# Altium PCB MB1166.PcbDoc (part 13 of 39)
Units mil, origin at the board's own origin, x right, y up, seen from the top; angles counter-clockwise.
Board outline 5000.99 x 2352.96 mil, 4 copper layers (TOP, L2_GND, L3_VCC, BOTTOM), stack 25.9 mil thick; 35 components, 24 nets, 166 pads, 143 vias.
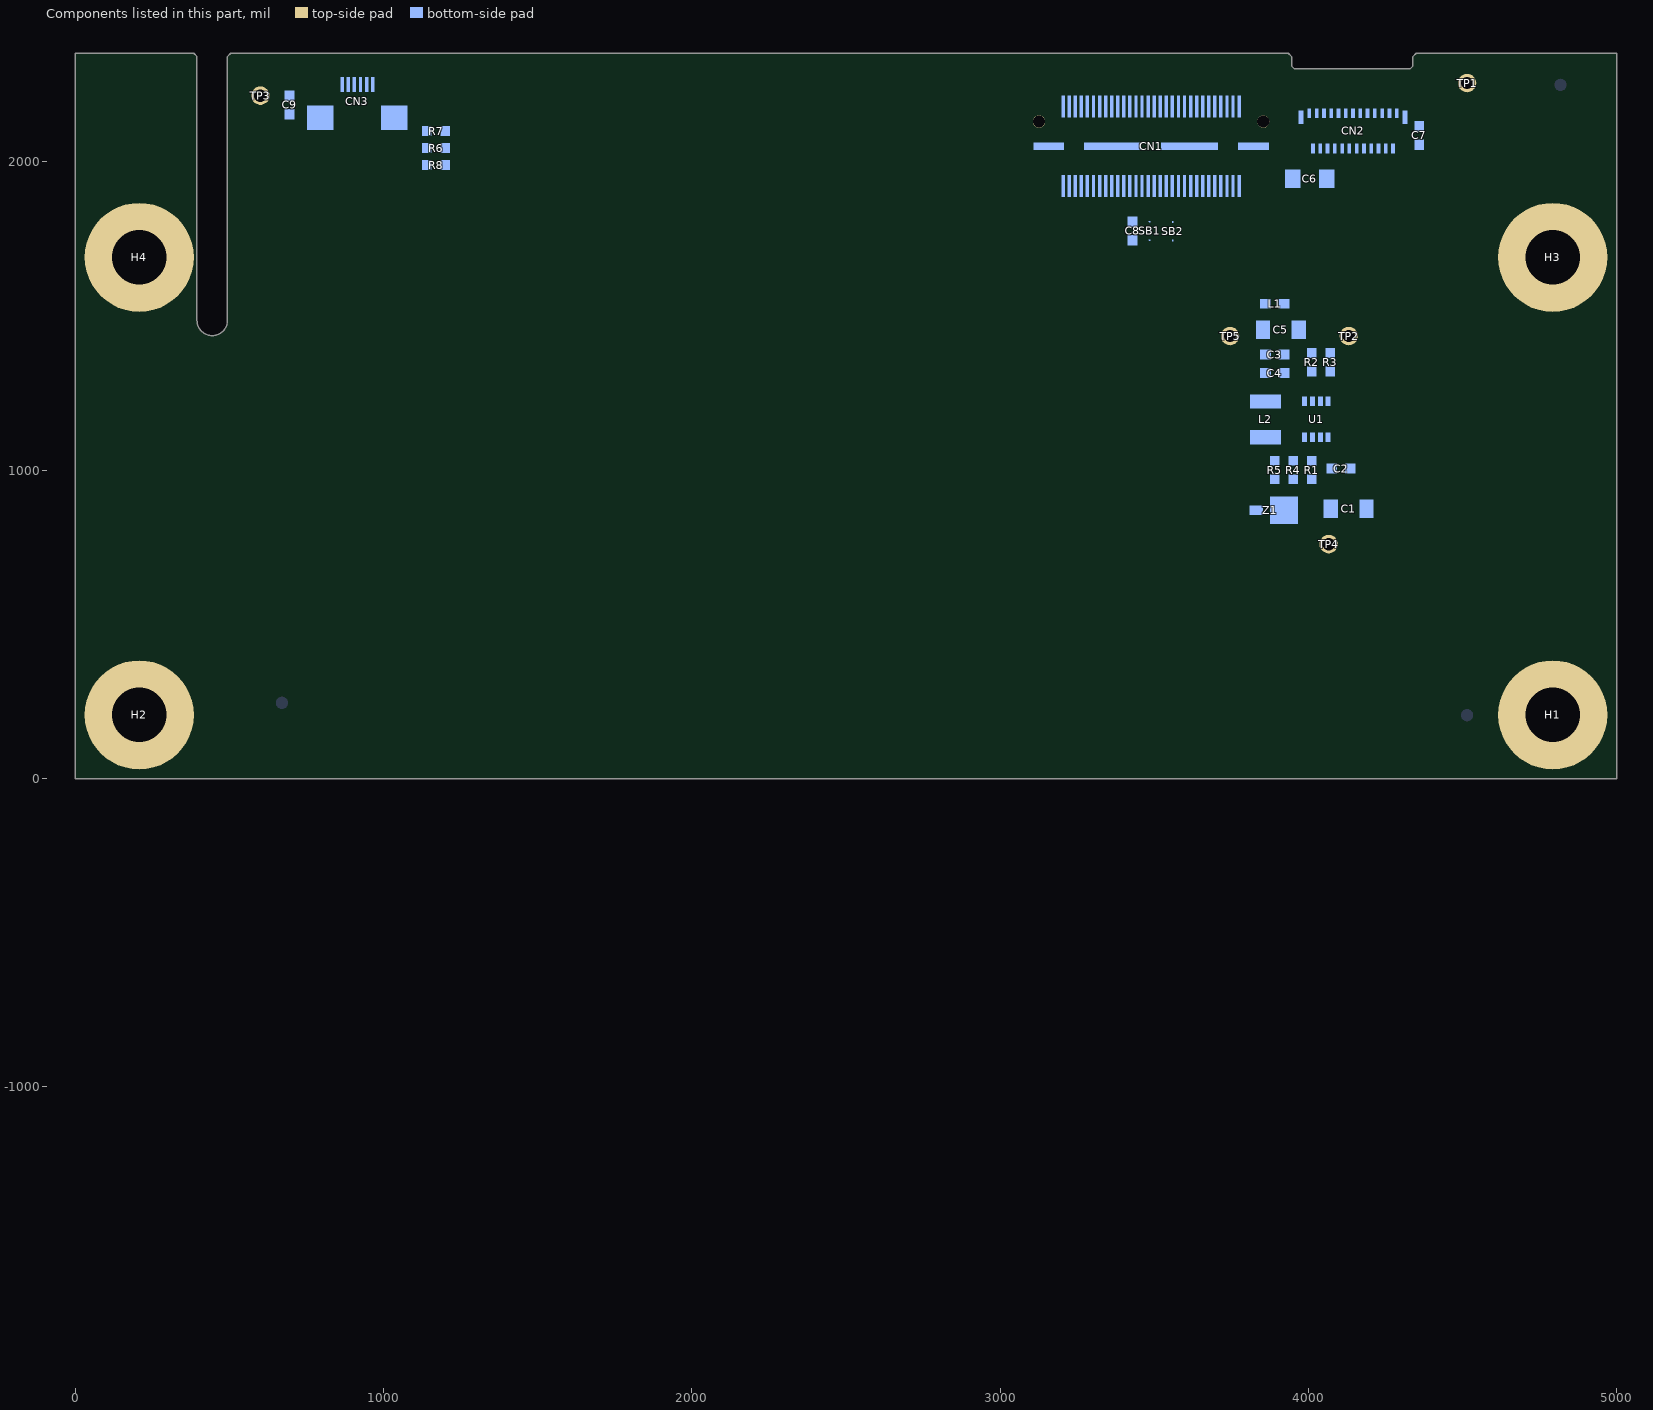
[diagram p15: the components of this part, seen from the top]

## Via types
v1: diameter 24, hole 12, TOP to BOTTOM, 143 vias

## Nets (pads, with @x,y where several pads share a name; then routed paths per layer and width w, separated by ;. In a path a pad name is that pad's centre, name@x,y a point inside that pad or via, vN(x,y) a via of type N, cw(c..) or ccw(c..) an arc to the next point about the centre after c; other vN are vias at no path point) (continued)
copper on no net: (continued)
  TOP w2: 1342.82,-1114.39 1343.1,-1114.67 ; 1342.97,-1160.25 1343.02,-1160.17 ; 1342.97,-1160.25 1343.02,-1160.17 ; 1343.02,-1160.17 1343.32,-1159.77 ; 1343.02,-1160.17 1343.32,-1159.77 ; 1343.1,-1114.67 1343.17,-1114.75 ; 1343.1,-1114.67 1343.17,-1114.75 ; 1343.17,-1114.75 1343.24,-1114.82 ; 1343.17,-1114.75 1343.24,-1114.82 ; 1343.24,-1114.82 1343.3,-1114.9 ; 1343.24,-1114.82 1343.3,-1114.9 ; 1343.32,-1159.77 1343.37,-1159.68 ; 1343.32,-1159.77 1343.37,-1159.68 ; 1343.3,-1114.9 1343.44,-1115.04 ; 1343.3,-1114.9 1343.44,-1115.04 ; 1343.37,-1159.68 1343.55,-1159.44 ; 1343.37,-1159.68 1343.55,-1159.44 ; 1343.44,-1115.04 1343.5,-1115.12 ; 1343.44,-1115.04 1343.5,-1115.12 ; 1343.5,-1115.12 1343.57,-1115.2 ; 1343.5,-1115.12 1343.57,-1115.2 ; 1343.55,-1159.44 1343.6,-1159.36 ; 1343.55,-1159.44 1343.6,-1159.36 ; 1343.57,-1115.2 1343.63,-1115.27 ; 1343.57,-1115.2 1343.63,-1115.27 ; 1343.6,-1159.36 1343.66,-1159.27 ; 1343.6,-1159.36 1343.66,-1159.27 ; 1343.66,-1159.27 1343.72,-1159.19 ; 1343.66,-1159.27 1343.72,-1159.19 ; 1343.63,-1115.27 1343.7,-1115.35 ; 1343.63,-1115.27 1343.7,-1115.35 ; 1343.72,-1159.19 1343.77,-1159.11 ; 1343.72,-1159.19 1343.77,-1159.11 ; 1343.7,-1115.35 1343.76,-1115.43 ; 1343.7,-1115.35 1343.76,-1115.43 ; 1343.77,-1159.11 1343.83,-1159.03 ; 1343.77,-1159.11 1343.83,-1159.03 ; 1343.76,-1115.43 1343.82,-1115.5 ; 1343.76,-1115.43 1343.82,-1115.5 ; 1343.82,-1115.5 1343.89,-1115.58 ; 1343.82,-1115.5 1343.89,-1115.58 ; 1343.83,-1159.03 1343.88,-1158.94 ; 1343.83,-1159.03 1343.88,-1158.94 ; 1343.88,-1158.94 1343.94,-1158.86 ; 1343.88,-1158.94 1343.94,-1158.86 ; 1343.89,-1115.58 1344.37,-1116.22 ; 1343.89,-1115.58 1344.37,-1116.22 ; 1343.94,-1158.86 1343.99,-1158.78 ; 1343.94,-1158.86 1343.99,-1158.78 ; 1343.99,-1158.78 1344.05,-1158.69 ; 1343.99,-1158.78 1344.05,-1158.69 ; 1344.05,-1158.69 1344.1,-1158.61 ; 1344.05,-1158.69 1344.1,-1158.61 ; 1344.1,-1158.61 1344.16,-1158.52 ; 1344.1,-1158.61 1344.16,-1158.52 ; 1344.16,-1158.52 1344.21,-1158.44 ; 1344.16,-1158.52 1344.21,-1158.44 ; 1344.21,-1158.44 1344.27,-1158.36 ; 1344.21,-1158.44 1344.27,-1158.36 ; 1344.27,-1158.36 1344.32,-1158.27 ; 1344.27,-1158.36 1344.32,-1158.27 ; 1344.32,-1158.27 1344.37,-1158.19 ; 1344.32,-1158.27 1344.37,-1158.19 ; 1344.37,-1158.19 1344.43,-1158.1 ; 1344.37,-1158.19 1344.43,-1158.1 ; 1344.37,-1116.22 1344.42,-1116.3 ; 1344.37,-1116.22 1344.42,-1116.3 ; 1344.42,-1116.3 1344.48,-1116.38 ; 1344.42,-1116.3 1344.48,-1116.38 ; 1344.43,-1158.1 1344.48,-1158.02 ; 1344.43,-1158.1 1344.48,-1158.02 ; 1344.48,-1158.02 1344.53,-1157.93 ; 1344.48,-1158.02 1344.53,-1157.93 ; 1344.48,-1116.38 1344.54,-1116.47 ; 1344.48,-1116.38 1344.54,-1116.47 ; 1344.53,-1157.93 1344.58,-1157.85 ; 1344.53,-1157.93 1344.58,-1157.85 ; 1344.54,-1116.47 1344.59,-1116.55 ; 1344.54,-1116.47 1344.59,-1116.55 ; 1344.58,-1157.85 1344.68,-1157.67 ; 1344.58,-1157.85 1344.68,-1157.67 ; 1344.59,-1116.55 1344.65,-1116.63 ; 1344.59,-1116.55 1344.65,-1116.63 ; 1344.65,-1116.63 1344.7,-1116.72 ; 1344.65,-1116.63 1344.7,-1116.72 ; 1344.68,-1157.67 1344.73,-1157.59 ; 1344.68,-1157.67 1344.73,-1157.59 ; 1344.7,-1116.72 1344.76,-1116.8 ; 1344.7,-1116.72 1344.76,-1116.8 ; 1344.73,-1157.59 1344.83,-1157.41 ; 1344.73,-1157.59 1344.83,-1157.41 ; 1344.76,-1116.8 1344.81,-1116.88 ; 1344.76,-1116.8 1344.81,-1116.88 ; 1344.81,-1116.88 1344.87,-1116.97 ; 1344.81,-1116.88 1344.87,-1116.97 ; 1344.83,-1157.41 1344.88,-1157.33 ; 1344.83,-1157.41 1344.88,-1157.33 ; 1344.87,-1116.97 1344.92,-1117.05 ; 1344.86,-1116.96 1316.83,-1144.99 1344.86,-1116.96 ; 1344.87,-1116.97 1344.92,-1117.05 ; 1344.88,-1157.33 1344.98,-1157.15 ; 1344.88,-1157.33 1344.98,-1157.15 ; 1344.92,-1117.05 1344.97,-1117.14 ; 1344.92,-1117.05 1344.97,-1117.14 ; 1344.97,-1117.14 1345.02,-1117.22 ; 1344.97,-1117.14 1345.02,-1117.22 ; 1344.98,-1157.15 1345.03,-1157.07 ; 1344.98,-1157.15 1345.03,-1157.07 ; 1345.02,-1117.22 1345.07,-1117.31 ; 1345.02,-1117.22 1345.07,-1117.31 ; 1345.03,-1157.07 1345.13,-1156.89 ; 1345.03,-1157.07 1345.13,-1156.89 ; 1345.07,-1117.31 1345.13,-1117.4 ; 1345.07,-1117.31 1345.13,-1117.4 ; 1345.13,-1156.89 1345.17,-1156.8 ; 1345.13,-1156.89 1345.17,-1156.8 ; 1345.17,-1156.8 1345.27,-1156.62 ; 1345.17,-1156.8 1345.27,-1156.62 ; 1345.13,-1117.4 1345.18,-1117.48 ; 1345.13,-1117.4 1345.18,-1117.48 ; 1345.18,-1117.48 1345.28,-1117.66 ; 1345.18,-1117.48 1345.28,-1117.66 ; 1345.27,-1156.62 1345.31,-1156.54 ; 1345.27,-1156.62 1345.31,-1156.54 ; 1345.31,-1156.54 1345.36,-1156.45 ; 1345.31,-1156.54 1345.36,-1156.45 ; 1345.32,-1117.74 1345.28,-1117.66 ; 1345.32,-1117.74 1345.47,-1118.01 ; 1345.32,-1117.74 1345.28,-1117.66 ; 1345.32,-1117.74 1345.47,-1118.01 ; 1345.36,-1156.45 1345.4,-1156.36 ; 1345.36,-1156.45 1345.4,-1156.36 ; 1345.4,-1156.36 1345.45,-1156.27 ; 1345.4,-1156.36 1345.45,-1156.27 ; 1345.45,-1156.27 1345.49,-1156.18 ; 1345.45,-1156.27 1345.49,-1156.18 ; 1345.47,-1118.01 1345.52,-1118.09 ; 1345.47,-1118.01 1345.52,-1118.09 ; 1345.49,-1156.18 1345.54,-1156.09 ; 1345.49,-1156.18 1345.54,-1156.09 ; 1345.52,-1118.09 1345.56,-1118.18 ; 1345.52,-1118.09 1345.56,-1118.18 ; 1345.54,-1156.09 1345.58,-1156 ; 1345.54,-1156.09 1345.58,-1156 ; 1345.56,-1118.18 1345.66,-1118.36 ; 1345.56,-1118.18 1345.66,-1118.36 ; 1345.58,-1156 1345.63,-1155.91 ; 1345.58,-1156 1345.63,-1155.91 ; 1345.63,-1155.91 1345.71,-1155.73 ; 1345.63,-1155.91 1345.71,-1155.73 ; 1345.66,-1118.36 1345.7,-1118.45 ; 1345.66,-1118.36 1345.7,-1118.45 ; 1345.71,-1155.73 1345.76,-1155.64 ; 1345.71,-1155.73 1345.76,-1155.64 ; 1345.7,-1118.45 1345.8,-1118.63 ; 1345.7,-1118.45 1345.8,-1118.63 ; 1345.76,-1155.64 1345.92,-1155.28 ; 1345.76,-1155.64 1345.92,-1155.28 ; 1345.8,-1118.63 1345.84,-1118.72 ; 1345.8,-1118.63 1345.84,-1118.72 ; 1345.84,-1118.72 1345.88,-1118.8 ; 1345.84,-1118.72 1345.88,-1118.8 ; 1345.92,-1155.28 1345.97,-1155.19 ; 1345.92,-1155.28 1345.97,-1155.19 ; 1345.88,-1118.8 1345.93,-1118.89 ; 1345.88,-1118.8 1345.93,-1118.89 ; 1345.97,-1155.19 1346.01,-1155.09 ; 1345.97,-1155.19 1346.01,-1155.09 ; 1345.97,-1118.98 1345.93,-1118.89 ; 1345.97,-1118.98 1346.02,-1119.07 ; 1345.97,-1118.98 1345.93,-1118.89 ; 1345.97,-1118.98 1346.02,-1119.07 ; 1346.01,-1155.09 1346.25,-1154.55 ; 1346.01,-1155.09 1346.25,-1154.55 ; 1346.02,-1119.07 1346.1,-1119.25 ; 1346.02,-1119.07 1346.1,-1119.25 ; 1346.1,-1119.25 1346.15,-1119.34 ; 1346.1,-1119.25 1346.15,-1119.34 ; 1346.15,-1119.34 1346.19,-1119.44 ; 1346.15,-1119.34 1346.19,-1119.44 ; 1346.19,-1119.44 1346.31,-1119.71 ; 1346.19,-1119.44 1346.31,-1119.71 ; 1346.25,-1154.55 1346.29,-1154.45 ; 1346.25,-1154.55 1346.29,-1154.45 ; 1346.29,-1154.45 1346.37,-1154.27 ; 1346.29,-1154.45 1346.37,-1154.27 ; 1346.31,-1119.71 1346.36,-1119.8 ; 1346.31,-1119.71 1346.36,-1119.8 ; 1346.37,-1154.27 1346.4,-1154.18 ; 1346.37,-1154.27 1346.4,-1154.18 ; 1346.36,-1119.8 1346.56,-1120.25 ; 1346.36,-1119.8 1346.56,-1120.25 ; 1346.4,-1154.18 1346.44,-1154.08 ; 1346.4,-1154.18 1346.44,-1154.08 ; 1346.44,-1154.08 1346.56,-1153.81 ; 1346.44,-1154.08 1346.56,-1153.81 ; 1346.56,-1153.81 1346.59,-1153.71 ; 1346.56,-1153.81 1346.59,-1153.71 ; 1346.56,-1120.25 1346.6,-1120.35 ; 1346.56,-1120.25 1346.6,-1120.35 ; 1346.59,-1153.71 1346.67,-1153.53 ; 1346.59,-1153.71 1346.67,-1153.53 ; 1346.6,-1120.35 1346.76,-1120.71 ; 1346.6,-1120.35 1346.76,-1120.71 ; 1346.67,-1153.53 1346.7,-1153.44 ; 1346.67,-1153.53 1346.7,-1153.44 ; 1346.7,-1153.44 1346.74,-1153.34 ; 1346.7,-1153.44 1346.74,-1153.34 ; 1346.74,-1153.34 1346.78,-1153.25 ; 1346.74,-1153.34 1346.78,-1153.25 ; 1346.76,-1120.71 1346.8,-1120.81 ; 1346.76,-1120.71 1346.8,-1120.81 ; 1346.78,-1153.25 1346.81,-1153.16 ; 1346.78,-1153.25 1346.81,-1153.16 ; 1346.81,-1153.16 1346.85,-1153.06 ; 1346.81,-1153.16 1346.85,-1153.06 ; 1346.8,-1120.81 1346.84,-1120.9 ; 1346.8,-1120.81 1346.84,-1120.9 ; 1346.85,-1153.06 1346.89,-1152.97 ; 1346.85,-1153.06 1346.89,-1152.97 ; 1346.87,-1120.99 1346.84,-1120.9 ; 1346.87,-1120.99 1346.91,-1121.08 ; 1346.87,-1120.99 1346.84,-1120.9 ; 1346.87,-1120.99 1346.91,-1121.08 ; 1346.89,-1152.97 1346.92,-1152.88 ; 1346.89,-1152.97 1346.92,-1152.88 ; 1346.92,-1152.88 1346.96,-1152.78 ; 1346.92,-1152.88 1346.96,-1152.78 ; 1346.91,-1121.08 1346.95,-1121.18 ; 1346.91,-1121.08 1346.95,-1121.18 ; 1346.96,-1152.78 1346.99,-1152.69 ; 1346.96,-1152.78 1346.99,-1152.69 ; 1346.95,-1121.18 1347.03,-1121.36 ; 1346.95,-1121.18 1347.03,-1121.36 ; 1346.99,-1152.69 1347.03,-1152.6 ; 1346.99,-1152.69 1347.03,-1152.6 ; 1347.03,-1152.6 1347.06,-1152.5 ; 1347.03,-1152.6 1347.06,-1152.5 ; 1347.06,-1152.5 1347.1,-1152.41 ; 1347.06,-1152.5 1347.1,-1152.41 ; 1347.06,-1121.45 1347.03,-1121.36 ; 1347.06,-1121.45 1347.1,-1121.55 ; 1347.06,-1121.45 1347.03,-1121.36 ; 1347.06,-1121.45 1347.1,-1121.55 ; 1347.1,-1152.41 1347.13,-1152.31 ; 1347.1,-1152.41 1347.13,-1152.31 ; 1347.1,-1121.55 1347.18,-1121.73 ; 1347.1,-1121.55 1347.18,-1121.73 ; 1347.13,-1152.31 1347.17,-1152.22 ; 1347.13,-1152.31 1347.17,-1152.22 ; 1347.17,-1152.22 1347.2,-1152.13 ; 1347.17,-1152.22 1347.2,-1152.13 ; 1347.2,-1152.13 1347.23,-1152.03 ; 1347.2,-1152.13 1347.23,-1152.03 ; 1347.21,-1121.82 1347.18,-1121.73 ; 1347.21,-1121.82 1347.25,-1121.92 ; 1347.21,-1121.82 1347.18,-1121.73 ; 1347.21,-1121.82 1347.25,-1121.92 ; 1347.23,-1152.03 1347.27,-1151.94 ; 1347.23,-1152.03 1347.27,-1151.94 ; 1347.27,-1151.94 1347.3,-1151.84 ; 1347.27,-1151.94 1347.3,-1151.84 ; 1347.25,-1121.92 1347.29,-1122.01 ; 1347.25,-1121.92 1347.29,-1122.01 ; 1347.3,-1151.84 1347.34,-1151.75 ; 1347.3,-1151.84 1347.34,-1151.75 ; 1347.32,-1122.1 1347.29,-1122.01 ; 1347.32,-1122.1 1347.36,-1122.2 ; 1347.32,-1122.1 1347.29,-1122.01 ; 1347.32,-1122.1 1347.36,-1122.2 ; 1347.34,-1151.75 1347.37,-1151.66 ; 1347.34,-1151.75 1347.37,-1151.66 ; 1347.37,-1151.66 1347.4,-1151.56 ; 1347.37,-1151.66 1347.4,-1151.56 ; 1347.36,-1122.2 1347.39,-1122.29 ; 1347.36,-1122.2 1347.39,-1122.29 ; 1347.4,-1151.56 1347.44,-1151.47 ; 1347.4,-1151.56 1347.44,-1151.47 ; 1347.39,-1122.29 1347.43,-1122.38 ; 1347.39,-1122.29 1347.43,-1122.38 ; 1347.44,-1151.47 1347.47,-1151.37 ; 1347.44,-1151.47 1347.47,-1151.37 ; 1347.47,-1151.37 1347.5,-1151.28 ; 1347.47,-1151.37 1347.5,-1151.28 ; 1347.46,-1122.48 1347.43,-1122.38 ; 1347.46,-1122.48 1347.5,-1122.57 ; 1347.46,-1122.48 1347.43,-1122.38 ; 1347.46,-1122.48 1347.5,-1122.57 ; 1347.5,-1151.28 1347.53,-1151.18 ; 1347.5,-1151.28 1347.53,-1151.18 ; 1347.5,-1122.57 1347.53,-1122.67 ; 1347.5,-1122.57 1347.53,-1122.67 ; 1347.53,-1151.18 1347.57,-1151.09 ; 1347.53,-1151.18 1347.57,-1151.09 ; 1347.57,-1151.09 1347.6,-1150.99 ; 1347.57,-1151.09 1347.6,-1150.99 ; 1347.57,-1122.76 1347.53,-1122.67 ; 1347.57,-1122.76 1347.6,-1122.85 ; 1347.57,-1122.76 1347.53,-1122.67 ; 1347.57,-1122.76 1347.6,-1122.85 ; 1347.6,-1150.99 1347.63,-1150.9 ; 1347.6,-1150.99 1347.63,-1150.9 ; 1347.6,-1122.85 1347.63,-1122.95 ; 1347.6,-1122.85 1347.63,-1122.95 ; 1347.63,-1150.9 1347.66,-1150.8 ; 1347.63,-1150.9 1347.66,-1150.8 ; 1347.66,-1150.8 1347.69,-1150.71 ; 1347.66,-1150.8 1347.69,-1150.71 ; 1347.67,-1123.04 1347.63,-1122.95 ; 1347.67,-1123.04 1347.7,-1123.14 ; 1347.67,-1123.04 1347.63,-1122.95 ; 1347.67,-1123.04 1347.7,-1123.14 ; 1347.69,-1150.71 1347.72,-1150.61 ; 1347.69,-1150.71 1347.72,-1150.61 ; 1347.72,-1150.61 1347.76,-1150.52 ; 1347.72,-1150.61 1347.76,-1150.52 ; 1347.7,-1123.14 1347.74,-1123.23 ; 1347.7,-1123.14 1347.74,-1123.23 ; 1347.76,-1150.52 1347.79,-1150.42 ; 1347.76,-1150.52 1347.79,-1150.42 ; 1347.77,-1123.32 1347.74,-1123.23 ; 1347.77,-1123.32 1347.8,-1123.42 ; 1347.77,-1123.32 1347.74,-1123.23 ; 1347.77,-1123.32 1347.8,-1123.42 ; 1347.79,-1150.42 1347.82,-1150.33 ; 1347.79,-1150.42 1347.82,-1150.33 ; 1347.82,-1150.33 1347.85,-1150.23 ; 1347.82,-1150.33 1347.85,-1150.23 ; 1347.8,-1123.42 1347.83,-1123.51 ; 1347.8,-1123.42 1347.83,-1123.51 ; 1347.85,-1150.23 1347.88,-1150.14 ; 1347.85,-1150.23 1347.88,-1150.14 ; 1347.87,-1123.61 1347.83,-1123.51 ; 1347.87,-1123.61 1347.9,-1123.7 ; 1347.87,-1123.61 1347.83,-1123.51 ; 1347.87,-1123.61 1347.9,-1123.7 ; 1347.88,-1150.14 1347.91,-1150.04 ; 1347.88,-1150.14 1347.91,-1150.04 ; 1347.91,-1150.04 1347.94,-1149.95 ; 1347.91,-1150.04 1347.94,-1149.95 ; 1347.9,-1123.7 1347.93,-1123.8 ; 1347.9,-1123.7 1347.93,-1123.8 ; 1347.94,-1149.95 1347.97,-1149.85 ; 1347.94,-1149.95 1347.97,-1149.85 ; 1347.97,-1149.85 1348,-1149.76 ; 1347.97,-1149.85 1348,-1149.76 ; 1347.96,-1123.89 1347.93,-1123.8 ; 1347.96,-1123.89 1347.99,-1123.99 ; 1347.96,-1123.89 1347.93,-1123.8 ; 1347.96,-1123.89 1347.99,-1123.99 ; 1348,-1149.76 1348.02,-1149.66 ; 1348,-1149.76 1348.02,-1149.66 ; 1348.02,-1149.66 1348.05,-1149.56 ; 1348.02,-1149.66 1348.05,-1149.56 ; 1347.99,-1123.99 1348.03,-1124.08 ; 1347.99,-1123.99 1348.03,-1124.08 ; 1348.05,-1149.56 1348.08,-1149.47 ; 1348.05,-1149.56 1348.08,-1149.47 ; 1348.06,-1124.18 1348.03,-1124.08 ; 1348.06,-1124.18 1348.09,-1124.27 ; 1348.06,-1124.18 1348.03,-1124.08 ; 1348.06,-1124.18 1348.09,-1124.27 ; 1348.08,-1149.47 1348.11,-1149.37 ; 1348.08,-1149.47 1348.11,-1149.37 ; 1348.11,-1149.37 1348.14,-1149.28 ; 1348.11,-1149.37 1348.14,-1149.28 ; 1348.12,-1124.37 1348.09,-1124.27 ; 1348.12,-1124.37 1348.15,-1124.46 ; 1348.12,-1124.37 1348.09,-1124.27 ; 1348.12,-1124.37 1348.15,-1124.46 ; 1348.14,-1149.28 1348.17,-1149.18 ; 1348.14,-1149.28 1348.17,-1149.18 ; 1348.17,-1149.18 1348.19,-1149.08 ; 1348.17,-1149.18 1348.19,-1149.08 ; 1348.15,-1124.46 1348.18,-1124.56 ; 1348.15,-1124.46 1348.18,-1124.56 ; 1348.19,-1149.08 1348.22,-1148.99 ; 1348.19,-1149.08 1348.22,-1148.99 ; 1348.22,-1148.99 1348.25,-1148.89 ; 1348.22,-1148.99 1348.25,-1148.89 ; 1348.21,-1124.65 1348.18,-1124.56 ; 1348.21,-1124.65 1348.24,-1124.75 ; 1348.21,-1124.65 1348.18,-1124.56 ; 1348.21,-1124.65 1348.24,-1124.75 ; 1348.25,-1148.89 1348.27,-1148.8 ; 1348.25,-1148.89 1348.27,-1148.8 ; 1348.27,-1148.8 1348.33,-1148.6 ; 1348.27,-1148.8 1348.33,-1148.6 ; 1348.27,-1124.84 1348.24,-1124.75 ; 1348.27,-1124.84 1348.33,-1125.04 ; 1348.27,-1124.84 1348.24,-1124.75 ; 1348.27,-1124.84 1348.33,-1125.04 ; 1348.33,-1148.6 1348.35,-1148.51 ; 1348.33,-1148.6 1348.35,-1148.51 ; 1348.35,-1148.51 1348.38,-1148.41 ; 1348.35,-1148.51 1348.38,-1148.41 ; 1348.36,-1125.13 1348.33,-1125.04 ; 1348.36,-1125.13 1348.38,-1125.23 ; 1348.36,-1125.13 1348.33,-1125.04 ; 1348.36,-1125.13 1348.38,-1125.23 ; 1348.38,-1148.41 1348.4,-1148.31 ; 1348.38,-1148.41 1348.4,-1148.31 ; 1348.4,-1148.31 1348.43,-1148.22 ; 1348.4,-1148.31 1348.43,-1148.22 ; 1348.41,-1125.32 1348.38,-1125.23 ; 1348.41,-1125.32 1348.47,-1125.52 ; 1348.41,-1125.32 1348.38,-1125.23 ; 1348.41,-1125.32 1348.47,-1125.52 ; 1348.43,-1148.22 1348.45,-1148.12 ; 1348.43,-1148.22 1348.45,-1148.12 ; 1348.45,-1148.12 1348.48,-1148.02 ; 1348.45,-1148.12 1348.48,-1148.02 ; 1348.47,-1125.52 1348.5,-1125.61 ; 1348.47,-1125.52 1348.5,-1125.61 ; 1348.48,-1148.02 1348.5,-1147.93 ; 1348.48,-1148.02 1348.5,-1147.93 ; 1348.5,-1147.93 1348.53,-1147.83 ; 1348.5,-1147.93 1348.53,-1147.83 ; 1348.52,-1125.71 1348.5,-1125.61 ; 1348.52,-1125.71 1348.55,-1125.8 ; 1348.52,-1125.71 1348.5,-1125.61 ; 1348.52,-1125.71 1348.55,-1125.8 ; 1348.53,-1147.83 1348.57,-1147.63 ; 1348.53,-1147.83 1348.57,-1147.63 ; 1348.57,-1147.63 1348.6,-1147.54 ; 1348.57,-1147.63 1348.6,-1147.54 ; 1348.55,-1125.8 1348.61,-1126 ; 1348.55,-1125.8 1348.61,-1126 ; 1348.6,-1147.54 1348.64,-1147.34 ; 1348.6,-1147.54 1348.64,-1147.34 ; 1348.61,-1126 1348.63,-1126.09 ; 1348.61,-1126 1348.63,-1126.09 ; 1348.64,-1147.34 1348.67,-1147.24 ; 1348.64,-1147.34 1348.67,-1147.24 ; 1348.67,-1147.24 1348.69,-1147.15 ; 1348.67,-1147.24 1348.69,-1147.15 ; 1348.63,-1126.09 1348.69,-1126.29 ; 1348.63,-1126.09 1348.69,-1126.29 ; 1348.69,-1147.15 1348.75,-1146.85 ; 1348.69,-1147.15 1348.75,-1146.85 ; 1348.71,-1126.38 1348.69,-1126.29 ; 1348.71,-1126.38 1348.74,-1126.48 ; 1348.71,-1126.38 1348.69,-1126.29 ; 1348.71,-1126.38 1348.74,-1126.48 ; 1348.75,-1146.85 1348.77,-1146.76 ; 1348.75,-1146.85 1348.77,-1146.76 ; 1348.77,-1146.76 1348.85,-1146.36 ; 1348.77,-1146.76 1348.85,-1146.36 ; 1348.76,-1126.58 1348.74,-1126.48 ; 1348.76,-1126.58 1348.79,-1126.67 ; 1348.76,-1126.58 1348.74,-1126.48 ; 1348.76,-1126.58 1348.79,-1126.67 ; 1348.81,-1126.77 1348.79,-1126.67 ; 1348.81,-1126.77 1348.84,-1126.87 ; 1348.81,-1126.77 1348.79,-1126.67 ; 1348.81,-1126.77 1348.84,-1126.87 ; 1348.85,-1146.36 1348.87,-1146.27 ; 1348.85,-1146.36 1348.87,-1146.27 ; 1348.87,-1146.27 1348.95,-1145.87 ; 1348.87,-1146.27 1348.95,-1145.87 ; 1348.86,-1126.96 1348.84,-1126.87 ; 1348.86,-1126.96 1348.89,-1127.06 ; 1348.86,-1126.96 1348.84,-1126.87 ; 1348.86,-1126.96 1348.89,-1127.06 ; 1348.91,-1127.16 1348.89,-1127.06 ; 1348.91,-1127.16 1348.93,-1127.25 ; 1348.91,-1127.16 1348.89,-1127.06 ; 1348.91,-1127.16 1348.93,-1127.25 ; 1348.95,-1145.87 1348.96,-1145.77 ; 1348.95,-1145.87 1348.96,-1145.77 ; 1348.96,-1145.77 1348.98,-1145.68 ; 1348.96,-1145.77 1348.98,-1145.68 ; 1348.96,-1127.35 1348.93,-1127.25 ; 1348.96,-1127.35 1349,-1127.55 ; 1348.96,-1127.35 1348.93,-1127.25 ; 1348.96,-1127.35 1349,-1127.55 ; 1348.98,-1145.68 1349.02,-1145.48 ; 1348.98,-1145.68 1349.02,-1145.48 ; 1349.02,-1145.48 1349.03,-1145.38 ; 1349.02,-1145.48 1349.03,-1145.38 ; 1349.02,-1127.64 1349,-1127.55 ; 1349.02,-1127.64 1349.04,-1127.74 ; 1349.02,-1127.64 1349,-1127.55 ; 1349.02,-1127.64 1349.04,-1127.74 ; 1349.03,-1145.38 1349.05,-1145.28 ; 1349.03,-1145.38 1349.05,-1145.28 ; 1349.05,-1145.28 1349.06,-1145.18 ; 1349.05,-1145.28 1349.06,-1145.18 ; 1349.06,-1145.18 1349.08,-1145.08 ; 1349.06,-1145.18 1349.08,-1145.08 ; 1349.07,-1127.84 1349.04,-1127.74 ; 1349.07,-1127.84 1349.11,-1128.04 ; 1349.07,-1127.84 1349.04,-1127.74 ; 1349.07,-1127.84 1349.11,-1128.04 ; 1349.08,-1145.08 1349.1,-1144.99 ; 1349.08,-1145.08 1349.1,-1144.99 ; 1349.1,-1144.99 1349.11,-1144.89 ; 1349.1,-1144.99 1349.11,-1144.89 ; 1349.11,-1144.89 1349.13,-1144.79 ; 1349.11,-1144.89 1349.13,-1144.79 ; 1349.11,-1128.04 1349.13,-1128.13 ; 1349.11,-1128.04 1349.13,-1128.13 ; 1349.13,-1144.79 1349.15,-1144.59 ; 1349.13,-1144.79 1349.15,-1144.59 ; 1349.15,-1144.59 1349.17,-1144.49 ; 1349.15,-1144.59 1349.17,-1144.49 ; 1349.17,-1144.49 1349.18,-1144.39 ; 1349.17,-1144.49 1349.18,-1144.39 ; 1349.17,-1128.36 1276.41,-1201.12 1349.17,-1128.36 ; 1349.16,-1128.33 1349.15,-1128.23 ; 1349.16,-1128.33 1349.2,-1128.53 ; 1349.16,-1128.33 1349.15,-1128.23 ; 1349.16,-1128.33 1349.2,-1128.53 ; 1349.15,-1128.23 1349.13,-1128.13 ; 1349.15,-1128.23 1349.13,-1128.13 ; 1349.18,-1144.39 1349.2,-1144.29 ; 1349.18,-1144.39 1349.2,-1144.29 ; 1349.2,-1144.29 1349.22,-1144.09 ; 1349.2,-1144.29 1349.22,-1144.09 ; 1349.22,-1144.09 1349.23,-1144 ; 1349.22,-1144.09 1349.23,-1144 ; 1349.22,-1128.62 1349.2,-1128.53 ; 1349.22,-1128.62 1349.24,-1128.72 ; 1349.22,-1128.62 1349.2,-1128.53 ; 1349.22,-1128.62 1349.24,-1128.72 ; 1349.23,-1144.02 1279.33,-1213.93 1349.23,-1144.02 ; 1349.23,-1144 1349.25,-1143.9 ; 1349.23,-1144 1349.25,-1143.9 ; 1349.25,-1143.9 1349.4,-1142.4 ; 1349.25,-1143.9 1349.4,-1142.4 ; 1349.25,-1128.82 1349.24,-1128.72 ; 1349.25,-1128.82 1349.29,-1129.02 ; 1349.25,-1128.82 1349.24,-1128.72 ; 1349.25,-1128.82 1349.29,-1129.02 ; 1349.32,-1129.22 1349.3,-1129.12 ; 1349.32,-1129.22 1349.33,-1129.32 ; 1349.32,-1129.22 1349.3,-1129.12 ; 1349.32,-1129.22 1349.33,-1129.32 ; 1349.3,-1129.12 1349.29,-1129.02 ; 1349.3,-1129.12 1349.29,-1129.02 ; 1349.36,-1129.51 1349.34,-1129.41 ; 1349.36,-1129.51 1349.39,-1129.81 ; 1349.36,-1129.51 1349.34,-1129.41 ; 1349.36,-1129.51 1349.39,-1129.81 ; 1349.34,-1129.41 1349.33,-1129.32 ; 1349.34,-1129.41 1349.33,-1129.32 ; 1349.4,-1142.4 1349.4,-1142.3 ; 1349.4,-1142.4 1349.4,-1142.3 ; 1349.4,-1142.3 1349.42,-1142.1 ; 1349.4,-1142.3 1349.42,-1142.1 ; 1349.42,-1142.1 1349.42,-1142 ; 1349.42,-1142.1 1349.42,-1142 ; 1349.42,-1142 1349.43,-1141.9 ; 1349.42,-1142 1349.43,-1141.9 ; 1349.41,-1129.91 1349.39,-1129.81 ; 1349.41,-1129.91 1349.44,-1130.21 ; 1349.41,-1129.91 1349.39,-1129.81 ; 1349.41,-1129.91 1349.44,-1130.21 ; 1349.43,-1141.9 1349.44,-1141.81 ; 1349.43,-1141.9 1349.44,-1141.81 ; 1349.44,-1141.81 1349.44,-1141.71 ; 1349.44,-1141.81 1349.44,-1141.71 ; 1349.44,-1141.71 1349.45,-1141.61 